# Altium PCB Macropad LITE.PcbDoc
Units mm, origin at the board's own origin, x right, y up, seen from the top; angles counter-clockwise.
Board outline 76.2 x 99 mm, 2 copper layers (Top Layer, Bottom Layer), stack 1.571 mm thick; 66 components, 39 nets, 324 pads, 38 vias.
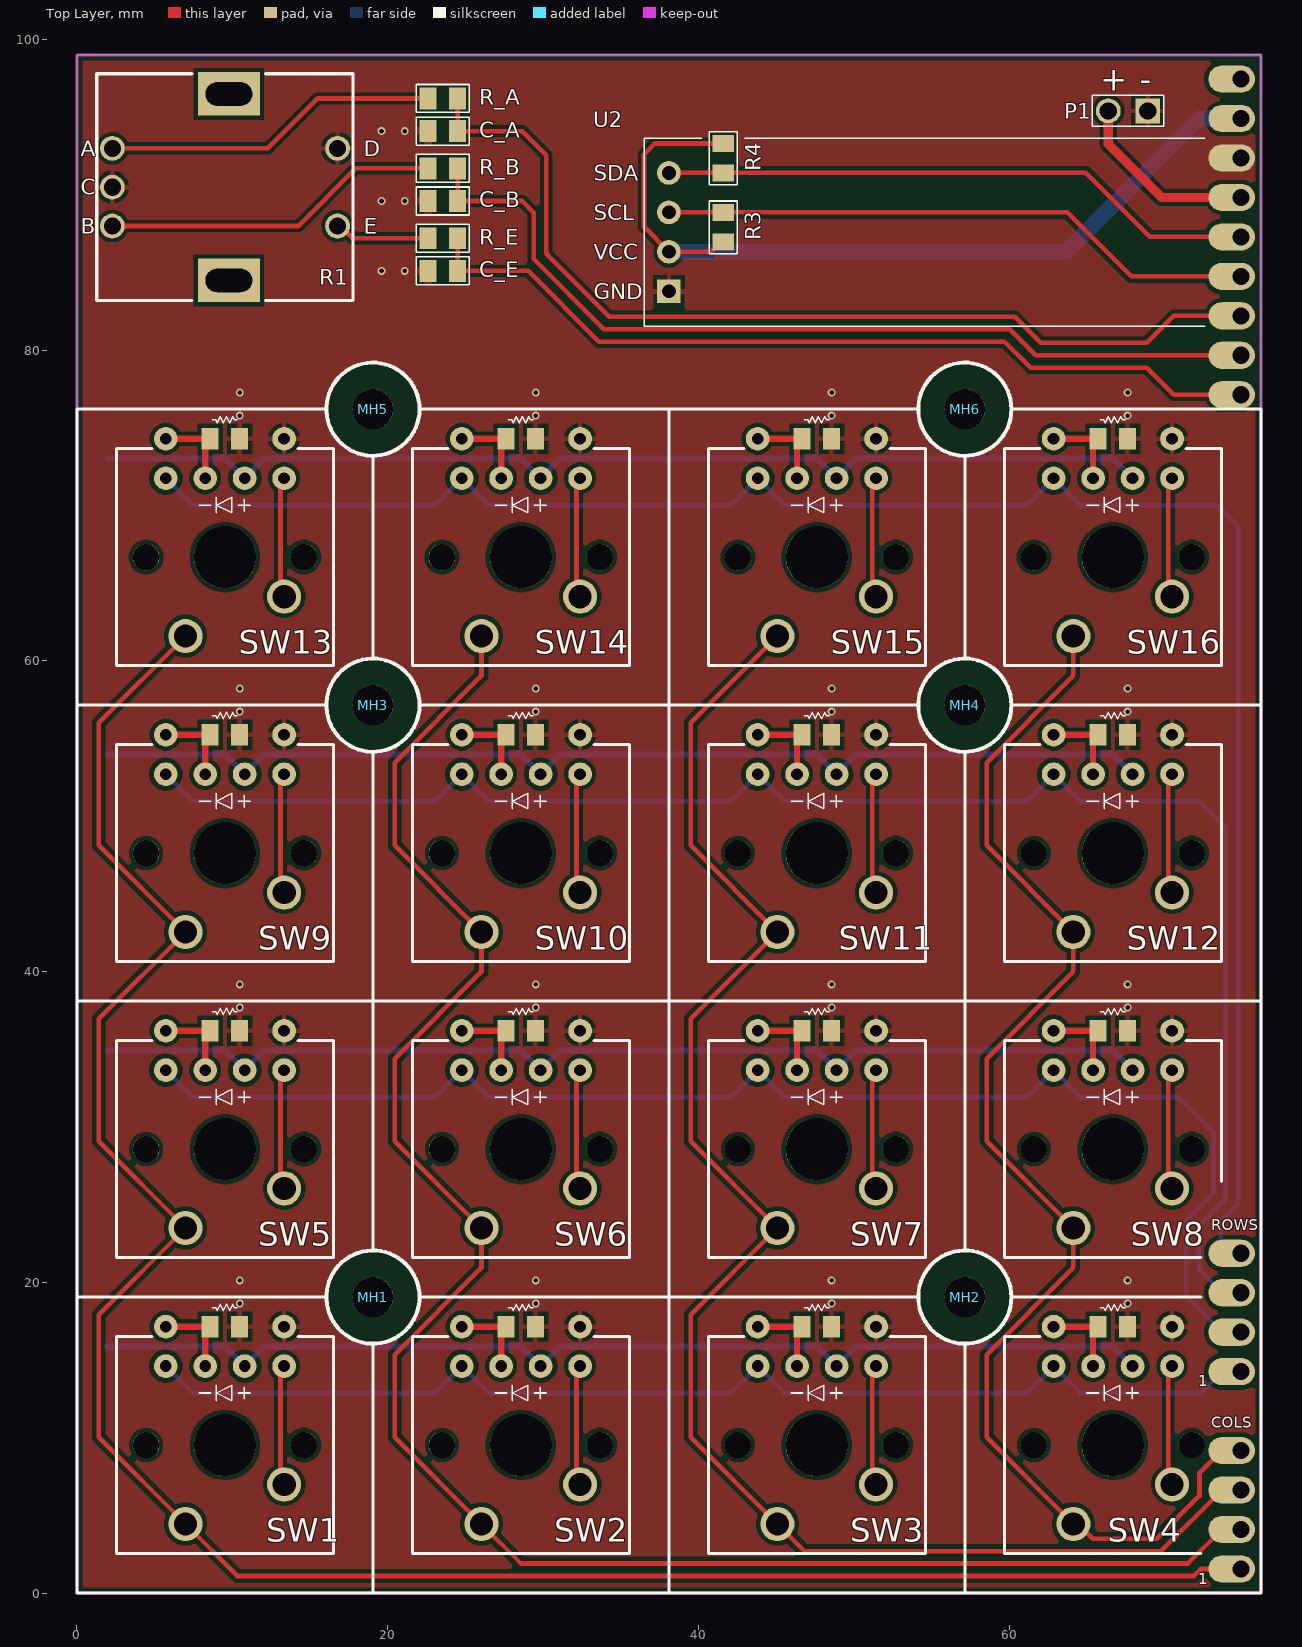
[diagram p0: Top Layer view]
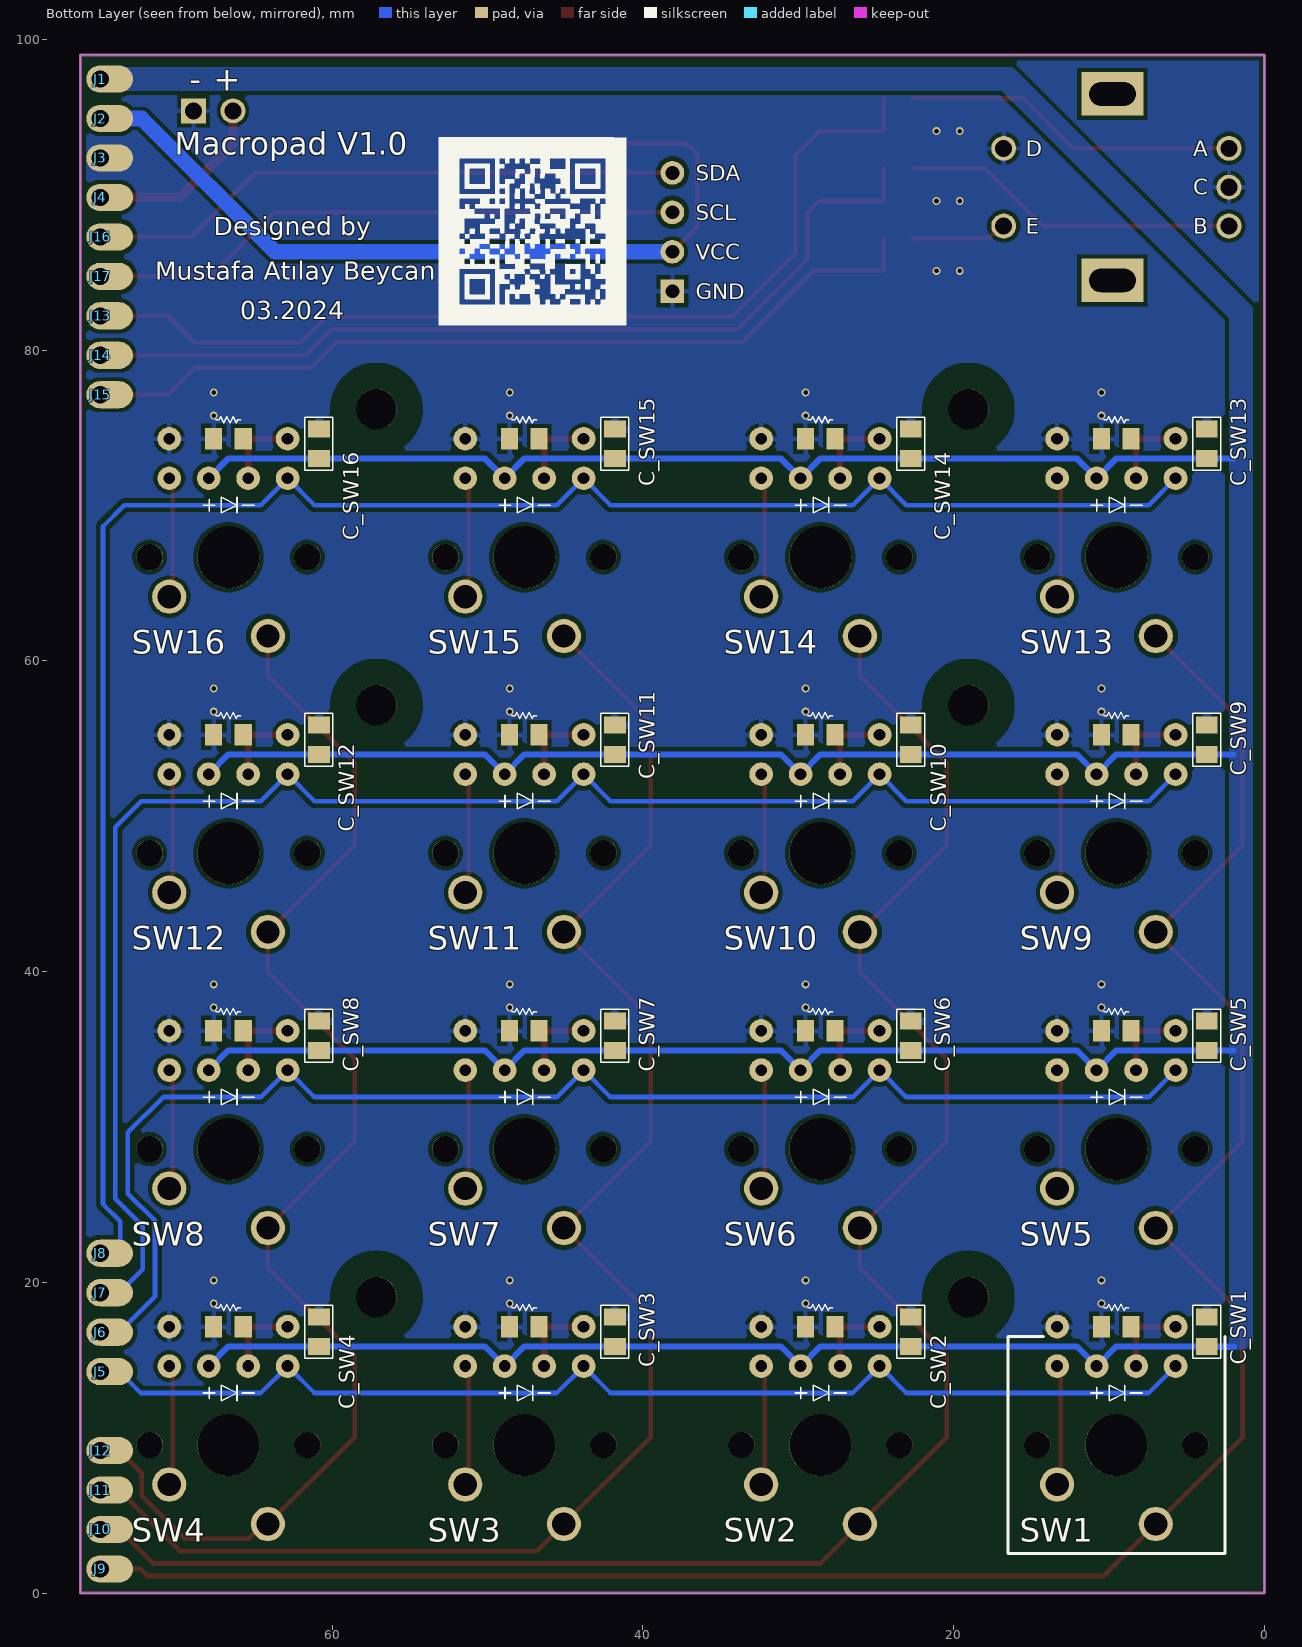
[diagram p1: Bottom Layer view, seen from below]
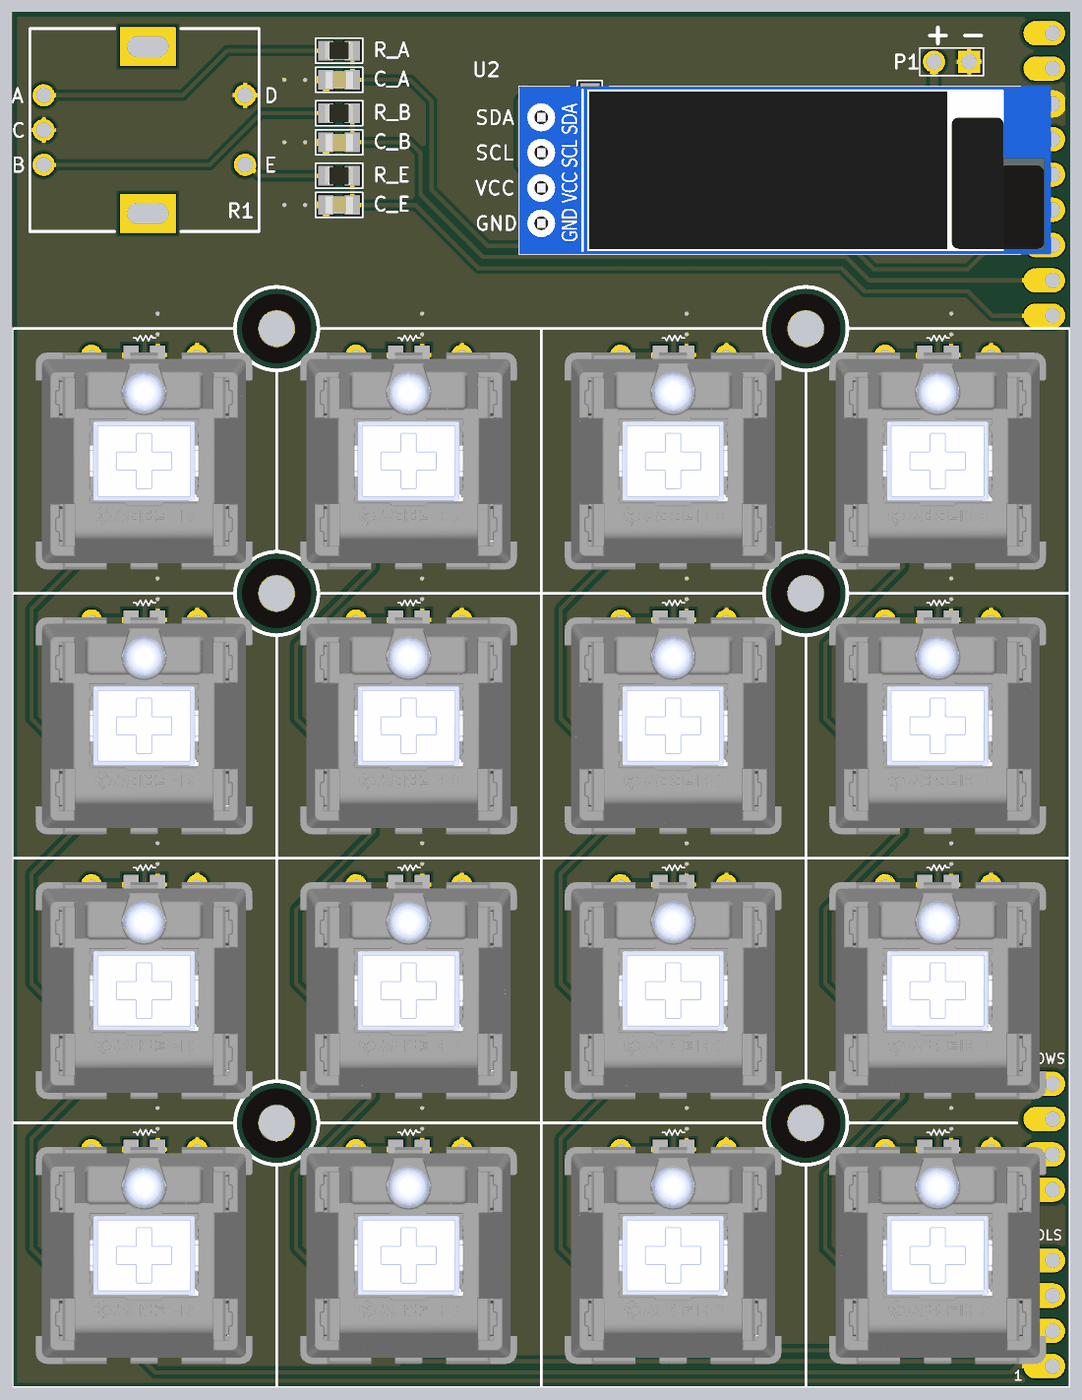
[diagram p2: 3D render of the assembled board from above, using the file's embedded part models]
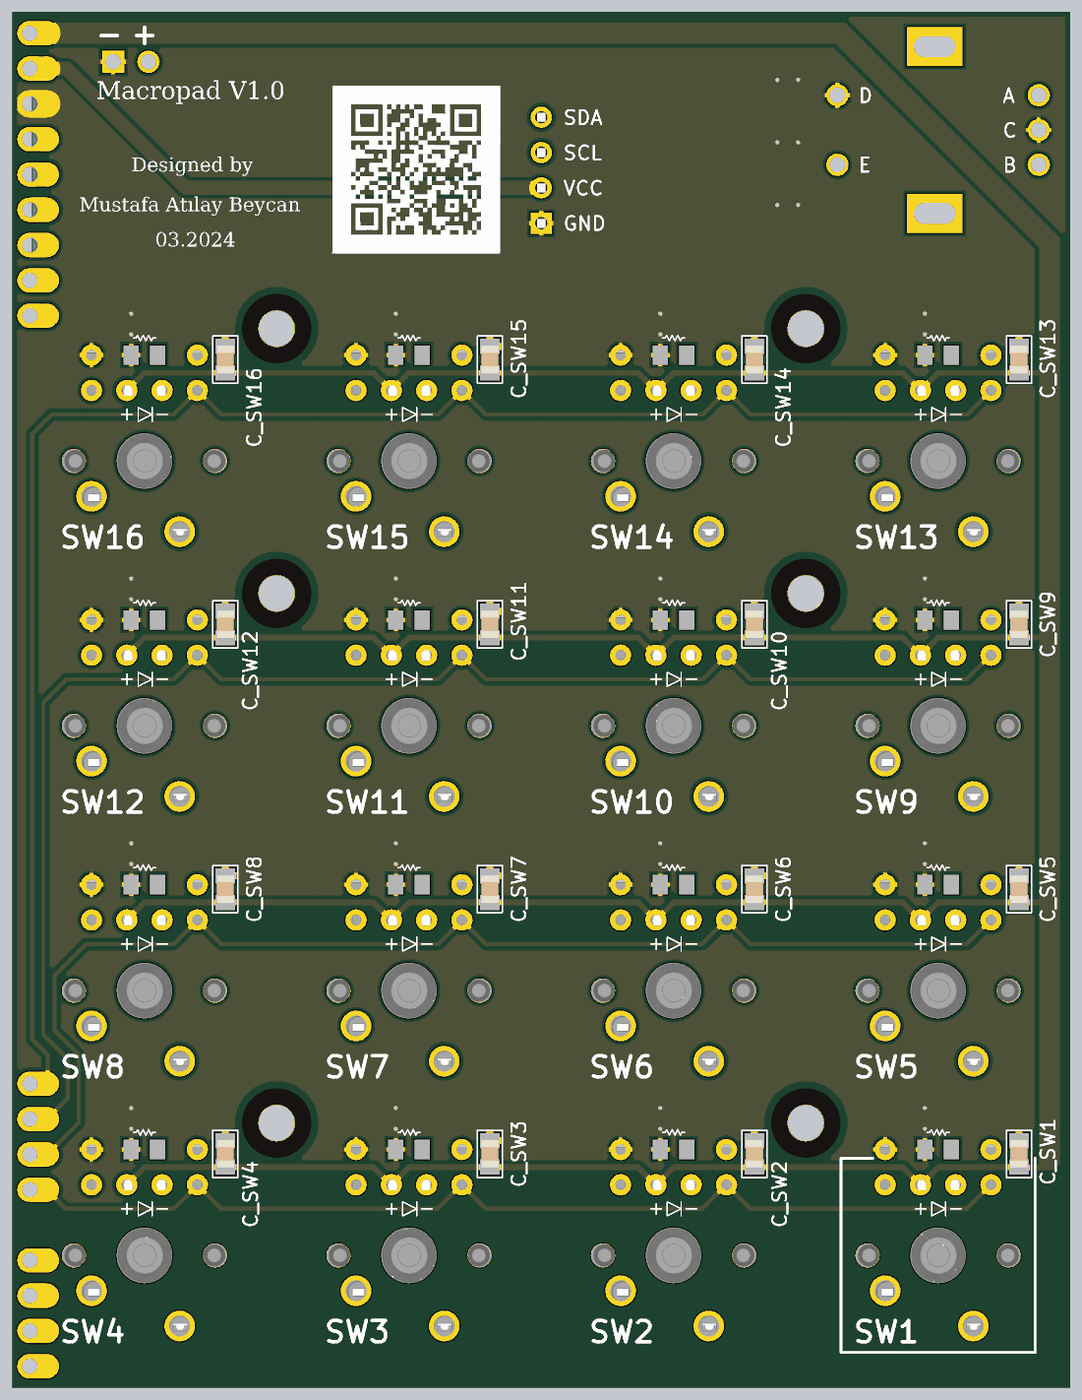
[diagram p3: 3D render of the assembled board from below, using the file's embedded part models]

## Layer stack, top to bottom
Top Solder: solder mask 0.0102, Solder Resist, Dk 3.5
Top Layer: signal copper 0.0356
Dielectric 1: dielectric 1.5, FR-4, Dk 4.8
Bottom Layer: signal copper 0.0356
Bottom Solder: solder mask 0.0102, Solder Resist, Dk 3.5

## Board outline
0,0 0,99 76.2,99 76.2,0

## Design rules (kind name [scope] priority, off if disabled: settings)
Clearance Clearance_VBUS [InNet('VBUS')] p1: gap=0.3 ignorepadtopadclearanceinfootprint=FALSE
Clearance Clearance_Poly_VBUS [InNet('VBUS') or InNet('3V3')] p2: gap=0.254 ignorepadtopadclearanceinfootprint=FALSE except(0.4: Arc-Arc Arc-Track Track-Track)
Clearance Clearance_Rows_Colmns [InNetClass('Columns') or InNetClass('Rows') or InNetClass('I2C')] p3: gap=0.3 ignorepadtopadclearanceinfootprint=FALSE
Clearance [All] p4: gap=0.254 ignorepadtopadclearanceinfootprint=FALSE except(0: Arc-Hole Track-Hole SMDPad-Hole THPad-Hole Via-Hole Fill-Hole Poly-Hole Region-Hole Text-Hole)
PolygonConnect PolygonConnect_SMD [HasFootprint('CAP 0805') vs InNet('GND')] p1: connectstyle=Relief reliefconductorwidth=0.5 reliefentries=4 polygonreliefangle="90 Angle" airgapwidth=0.254
PolygonConnect PolygonConnect_RP [InComponent('U1') or InComponent('J1') or InComponent('J2') or InComponent('J3') or InComponent('J4') or InComponent('J5') or InComponent('J6') or InComponent('J7') or InComponent('J8') or InComponent('J9') or InComponent('J10') or InComponent('J11') or InComponent('J12') or InComponent('J13') or InComponent('J14') or InComponent('J15') or InComponent('J16') or InComponent('J17')] p2: connectstyle=Direct reliefconductorwidth=0.254 reliefentries=4 polygonreliefangle="90 Angle" airgapwidth=0.254
PolygonConnect [All] p3: thpad.connectstyle=Relief thpad.reliefconductorwidth=0.3 thpad.reliefentries=4 thpad.polygonreliefangle="90 Angle" thpad.airgapwidth=0.254 smdpad.connectstyle=Relief smdpad.reliefconductorwidth=0.3 smdpad.reliefentries=4 smdpad.polygonreliefangle="90 Angle" smdpad.airgapwidth=0.254 via.connectstyle=Direct via.reliefconductorwidth=0.3 via.reliefentries=4 via.polygonreliefangle="90 Angle" via.airgapwidth=0.254
RoutingVias [All] p1: holewidth=0.711 width=1.27 viastyle="Through Hole" minholewidth=0.711 minwidth=1.27 maxholewidth=0.711 maxwidth=1.27
SolderMaskExpansion [All] p1: expansion=0.102 istentingtop=FALSE
Width [All] p1: maxlimit=5 minlimit=0.2 preferedwidth=0.3
30 further rules are at their usual default settings.

## Classes and differential pairs
net class Rows: ROW_1 ROW_2 ROW_3 ROW_4
net class I2C: I2C0_SCL I2C0_SDA
net class Columns: COLUMN_1 COLUMN_2 COLUMN_3 COLUMN_4

## Components (designator, comment, footprint, x,y, rotation, side; value= is the part's Value field where it differs from the comment)
C_A "CAP CER" "CAP 0805" 23.55,94.1 r0 top
C_B "CAP CER" "CAP 0805" 23.55,89.6 r180 top
C_E "CAP CER" "CAP 0805" 23.55,85.1 r180 top
C_SW1 "CAP CER" "CAP 0805" 3.7,16.825 r90 bottom
C_SW2 "CAP CER" "CAP 0805" 22.75,16.825 r90 bottom
C_SW3 "CAP CER" "CAP 0805" 41.8,16.825 r90 bottom
C_SW4 "CAP CER" "CAP 0805" 60.85,16.825 r90 bottom
C_SW5 "CAP CER" "CAP 0805" 3.7,35.875 r90 bottom
C_SW6 "CAP CER" "CAP 0805" 22.75,35.875 r90 bottom
C_SW7 "CAP CER" "CAP 0805" 41.8,35.875 r90 bottom
C_SW8 "CAP CER" "CAP 0805" 60.85,35.875 r90 bottom
C_SW9 "CAP CER" "CAP 0805" 3.7,54.925 r90 bottom
C_SW10 "CAP CER" "CAP 0805" 22.75,54.925 r90 bottom
C_SW11 "CAP CER" "CAP 0805" 41.8,54.925 r90 bottom
C_SW12 "CAP CER" "CAP 0805" 60.85,54.925 r90 bottom
C_SW13 "CAP CER" "CAP 0805" 3.7,73.975 r90 bottom
C_SW14 "CAP CER" "CAP 0805" 22.75,73.975 r90 bottom
C_SW15 "CAP CER" "CAP 0805" 41.8,73.975 r90 bottom
C_SW16 "CAP CER" "CAP 0805" 60.85,73.975 r90 bottom
J1 "PAD 1 PIN" "PAD 1 PIN" 74.925,97.45 r90 bottom
J2 "PAD 1 PIN" "PAD 1 PIN" 74.925,94.91 r90 bottom
J3 "PAD 1 PIN" "PAD 1 PIN" 74.925,92.37 r90 bottom
J4 "PAD 1 PIN" "PAD 1 PIN" 74.925,89.83 r90 bottom
J5 "PAD 1 PIN" "PAD 1 PIN" 74.925,14.25 r90 bottom
J6 "PAD 1 PIN" "PAD 1 PIN" 74.925,16.79 r90 bottom
J7 "PAD 1 PIN" "PAD 1 PIN" 74.925,19.33 r90 bottom
J8 "PAD 1 PIN" "PAD 1 PIN" 74.925,21.87 r90 bottom
J9 "PAD 1 PIN" "PAD 1 PIN" 74.925,1.55 r90 bottom
J10 "PAD 1 PIN" "PAD 1 PIN" 74.925,4.09 r90 bottom
J11 "PAD 1 PIN" "PAD 1 PIN" 74.925,6.63 r90 bottom
J12 "PAD 1 PIN" "PAD 1 PIN" 74.925,9.17 r90 bottom
J13 "PAD 1 PIN" "PAD 1 PIN" 74.925,82.21 r90 bottom
J14 "PAD 1 PIN" "PAD 1 PIN" 74.925,79.67 r90 bottom
J15 "PAD 1 PIN" "PAD 1 PIN" 74.925,77.13 r90 bottom
J16 "PAD 1 PIN" "PAD 1 PIN" 74.925,87.29 r90 bottom
J17 "PAD 1 PIN" "PAD 1 PIN" 74.925,84.75 r90 bottom
MH1 "MOUNTING HOLE" "MH 2.7MM" 19.049,19.05 r0 top
MH2 "MOUNTING HOLE" "MH 2.7MM" 57.149,19.05 r0 top
MH3 "MOUNTING HOLE" "MH 2.7MM" 19.049,57.15 r0 top
MH4 "MOUNTING HOLE" "MH 2.7MM" 57.149,57.15 r0 top
MH5 "MOUNTING HOLE" "MH 2.7MM" 19.049,76.2 r0 top
MH6 "MOUNTING HOLE" "MH 2.7MM" 57.149,76.2 r0 top
P1 "2X1 2.54MM HEADER" "HDR 2 PIN 2.54MM" 67.65,95.4 r180 top
R1 "Rotary Encoder" "POT - ROTARY ENCODER" 9.524,90.488 r270 top
R3 "RES CHIP" "RES 0805" 41.6,87.9 r90 top
R4 "RES CHIP" "RES 0805" 41.6,92.35 r270 top
R_A "RES CHIP" "RES 0805" 23.55,96.2 r0 top
R_B "RES CHIP" "RES 0805" 23.55,91.7 r0 top
R_E "RES CHIP" "RES 0805" 23.55,87.2 r180 top
SW1 "Cherry MX Brown" "SW - CHERRY MX 1U" 9.524,9.525 r180 top
SW2 "Cherry MX Brown" "SW - CHERRY MX 1U" 28.574,9.525 r180 top
SW3 "Cherry MX Brown" "SW - CHERRY MX 1U" 47.624,9.525 r180 top
SW4 "Cherry MX Brown" "SW - CHERRY MX 1U" 66.674,9.525 r180 top
SW5 "Cherry MX Brown" "SW - CHERRY MX 1U" 9.524,28.575 r180 top
SW6 "Cherry MX Brown" "SW - CHERRY MX 1U" 28.574,28.575 r180 top
SW7 "Cherry MX Brown" "SW - CHERRY MX 1U" 47.624,28.575 r180 top
SW8 "Cherry MX Brown" "SW - CHERRY MX 1U" 66.674,28.575 r180 top
SW9 "Cherry MX Brown" "SW - CHERRY MX 1U" 9.524,47.625 r180 top
SW10 "Cherry MX Brown" "SW - CHERRY MX 1U" 28.574,47.625 r180 top
SW11 "Cherry MX Brown" "SW - CHERRY MX 1U" 47.624,47.625 r180 top
SW12 "Cherry MX Brown" "SW - CHERRY MX 1U" 66.674,47.625 r180 top
SW13 "Cherry MX Brown" "SW - CHERRY MX 1U" 9.524,66.675 r180 top
SW14 "Cherry MX Brown" "SW - CHERRY MX 1U" 28.574,66.675 r180 top
SW15 "Cherry MX Brown" "SW - CHERRY MX 1U" 47.624,66.675 r180 top
SW16 "Cherry MX Brown" "SW - CHERRY MX 1U" 66.674,66.675 r180 top
U2 "OLED SCREEN" "0.91 OLED" 38.099,87.6 r0 top

## Footprints (in the part's own frame and the unit in brackets; to place one, negate y for a bottom-side part, rotate by r counter-clockwise, add the part's x,y. Pads: shape width x height; smd on the part's side, far side on the other; paste and mask are expansions set on the pad)
"0.91 OLED" [mil]
  rect 60x60 hole 35: 1(0,-150)
  round 60 hole 35: 2(0,-50) 3(0,50) 4(0,150)
  silkscreen extent -63,-239 1358,238, body extent -63,-239 1445,238, height 296
"CAP 0805" [mm]
  rect 1.1x1.4 smd: 1(-0.95,0) 2(0.95,0)
  Top Layer pour cut-out: -0.2,0.9 0.2,0.9 0.2,-0.9 -0.2,-0.9
  silkscreen extent -1.7,-0.9 1.7,0.9, body extent -1,-0.62 1,0.63, height 0.6
"HDR 2 PIN 2.54MM" [mm]
  rect 1.6x1.6 hole 1.1: 1(-1.27,0)
  round 1.6 hole 1.1: 2(1.27,0)
  silkscreen extent -2.3,-1 2.3,1
"MH 2.7MM" [mm]
  round 2.6 hole 2.6 mask+1.2: ""(0,0)
"PAD 1 PIN" [mm]
  oval 1.75x3 hole 1.1 copper offset 0,-0.6: 1(0,0)
"POT - ROTARY ENCODER" [mm]
  round 1.6 hole 1.1: A(-2.5,-7.25) B(2.5,-7.25) C(0,-7.25) D(-2.5,7.25) E(2.5,7.25)
  rect 2.8x4 hole 1.5 slot 3 at 90 deg: ""(-6,0.25) ""(6,0.25)
  silkscreen extent -7.3,-8.25 7.3,8.25, body extent -6.75,-7.32 6.75,7.33, height 21.8
"RES 0805" [mm]
  rect 1.1x1.4 smd: 1(-0.95,0) 2(0.95,0)
  Top Layer pour cut-out: -0.2,0.9 0.2,0.9 0.2,-0.9 -0.2,-0.9
  silkscreen extent -1.7,-0.9 1.7,0.9, body extent -1,-0.63 1,0.63, height 0.45
"SW - CHERRY MX 1U" [mil]
  round 86.61 hole 59.06: 1(100,200)
  round 86.61 hole 59: 2(-150,100)
  round 60 hole 30: 3(-150,-200) 4(150,-200) A(-50,-200) K(-150,-300) ""(50,-200) ""(150,-300)
  rect 43.31x55.12 smd: K(-37.4,-300) ""(37.4,-300)
  rect 43.31x55.12 smd far side: K(-37.4,-300) ""(37.4,-300)
  round 67 hole 67: ""(-200,0) ""(200,0)
  round 157 hole 157 unplated: ""(0,0)
  silkscreen extent -375,-375 375,375, body extent -306,-307 308,307, height 610

## Part data
C_A C_B C_E C_SW1 C_SW2 C_SW3 C_SW4 C_SW5 C_SW6 C_SW7 C_SW8 C_SW9 C_SW10 C_SW11 C_SW12 C_SW13 C_SW14 C_SW15 C_SW16: Capacitance=100nF, Package=0805, Mount=SMD
MH1 MH2 MH3 MH4 MH5 MH6: library part MH
P1: library part "HDR - 2X1 2.54"
R1: library part "POT - Rotary Encoder", Link=https://ozdisan.com/elektromekanik-komponentler/enkoder-urunleri/enkoderler/L-KLS4-EC1204-2C8A-15T/517994
R3 R4: Package=0805, Resistance=4.7K, Mount=SMD
R_A R_B R_E: Package=0805, Resistance=27K, Mount=SMD
SW1 SW2 SW3 SW4 SW5 SW6 SW7 SW8 SW9 SW10 SW11 SW12 SW13 SW14 SW15 SW16: "MECHANICAL SWITCH CHERRY MX BROWN"
U2: library part "0.91 OLED", "0.91 OLED SCREEN I2C"

## Via types
v1: diameter 0.5, hole 0.3, Top Layer to Bottom Layer, tented both sides, 38 vias

## Nets (pads, with @x,y where several pads share a name; then routed paths per layer and width w, separated by ;. In a path a pad name is that pad's centre, name@x,y a point inside that pad or via, vN(x,y) a via of type N, cw(c..) or ccw(c..) an arc to the next point about the centre after c; other vN are vias at no path point)
3V3: J2.1 R3.1 R4.1 U2.2 | length 55.2
  Top Layer w0.3: R3.1 41.45,86.95 40.83,86.33 U2.2 36.5,87.929 36.5,92.6 37.2,93.3 R4.1
  Bottom Layer w1: U2.2 63.68,86.33 72.26,94.91 J2.1@73.7,94.91
3V3_ENABLE: J4.1 P1.2 | length 10.9
  Top Layer w0.6: P1.2 66.38,93.27 69.82,89.83 J4.1@73.7,89.83
COLUMN_1: J9.1 SW1.1 SW5.1 SW9.1 SW13.1 | length 139.3
  Top Layer w0.3: SW13.1 1.4,56.011 1.4,48.13 SW9.1 1.4,36.961 1.4,29.079 SW5.1 1.4,17.911 1.4,10.029 SW1.1 10.329,1.1 71.9,1.1 72.35,1.55 J9.1@73.7,1.55
COLUMN_2: J10.1 SW2.1 SW6.1 SW10.1 SW14.1 | length 120.7
  Top Layer w0.3: SW14.1 26.034,59.034 20.45,53.45 20.45,48.129 SW10.1 26.034,39.984 20.45,34.4 20.45,29.079 SW6.1 26.034,20.934 20.45,15.35 20.45,10.029 SW2.1 28.579,1.9 71.51,1.9 J10.1@73.7,4.09
COLUMN_3: J11.1 SW3.1 SW7.1 SW11.1 SW15.1 | length 102
  Top Layer w0.3: SW15.1 39.5,56.011 39.5,48.13 SW11.1 39.5,36.961 39.5,29.079 SW7.1 39.5,17.911 39.5,10.029 SW3.1 46.829,2.7 69.77,2.7 J11.1@73.7,6.63
COLUMN_4: J12.1 SW4.1 SW8.1 SW12.1 SW16.1 | length 84.2
  Top Layer w0.3: SW16.1 64.134,59.034 58.55,53.45 58.55,48.129 SW12.1 64.134,39.984 58.55,34.4 58.55,29.079 SW8.1 64.134,20.934 58.55,15.35 58.55,10.029 SW4.1 64.436,4.445 65.381,3.5 69.5,3.5 72.25,6.25 72.25,7.72 J12.1@73.7,9.17
GND: C_A.1 C_B.2 C_E.2 C_SW1.2 C_SW2.2 C_SW3.2 C_SW4.2 C_SW5.2 C_SW6.2 C_SW7.2 C_SW8.2 C_SW9.2 C_SW10.2 C_SW11.2 C_SW12.2 C_SW13.2 C_SW14.2 C_SW15.2 C_SW16.2 J3.1 P1.1 R1.C R1.D SW1.K SW2.K SW3.K SW4.K SW5.K SW6.K SW7.K SW8.K SW9.K SW10.K SW11.K SW12.K SW13.K SW14.K SW15.K SW16.K U2.1
  other v1: 10.474,18.635 29.524,18.635 48.574,18.635 67.624,18.635 10.474,20.125 29.524,20.125 48.574,20.125 67.624,20.125 10.474,37.685 29.524,37.685 48.574,37.685 67.624,37.685 10.474,39.175 29.524,39.175 48.574,39.175 67.624,39.175 10.474,56.735 29.524,56.735 48.574,56.735 67.624,56.735 10.474,58.225 29.524,58.225 48.574,58.225 67.624,58.225 10.474,75.785 29.524,75.785 48.574,75.785 67.624,75.785 10.474,77.275 29.524,77.275 48.574,77.275 67.624,77.275 19.6,85.1 21.1,85.1 19.6,89.6 21.1,89.6 19.6,94.1 21.1,94.1
I2C0_SCL: J17.1 R3.2 U2.3 | length 37.3
  Top Layer w0.3: U2.3 63.73,88.87 67.85,84.75 J17.1@73.7,84.75
I2C0_SDA: J16.1 R4.2 U2.4 | length 37.3
  Top Layer w0.3: U2.4 64.94,91.41 69.06,87.29 J16.1@73.7,87.29
NetR1_A: R1.A R_A.1 | length 21.7
  Top Layer w0.3: R1.A 12.288,92.988 15.5,96.2 R_A.1
NetR1_B: R1.B R_B.1 | length 21.9
  Top Layer w0.3: R1.B 14.238,87.988 17.95,91.7 R_B.1
NetR1_E: R1.E R_E.2 | length 6.2
  Top Layer w0.3: R1.E 16.967,87.988 17.755,87.2 R_E.2
NetSW1_2: SW1.2 SW1.3 | length 7.8
  Top Layer w0.3: SW1.2 13.1,7.219 13.1,14.039 13.334,14.274 SW1.3
NetSW2_2: SW2.2 SW2.3 | length 7.8
  Top Layer w0.3: SW2.2 32.15,7.219 32.15,14.039 32.384,14.274 SW2.3
NetSW3_2: SW3.2 SW3.3 | length 7.8
  Top Layer w0.3: SW3.2 51.2,7.219 51.2,14.039 51.434,14.274 SW3.3
NetSW4_2: SW4.2 SW4.3 | length 7.8
  Top Layer w0.3: SW4.2 70.25,7.219 70.25,14.039 70.484,14.274 SW4.3
NetSW5_2: SW5.2 SW5.3 | length 7.8
  Top Layer w0.3: SW5.2 13.1,26.269 13.1,33.089 13.334,33.324 SW5.3
NetSW6_2: SW6.2 SW6.3 | length 7.8
  Top Layer w0.3: SW6.2 32.15,26.269 32.15,33.089 32.384,33.324 SW6.3
NetSW7_2: SW7.2 SW7.3 | length 7.8
  Top Layer w0.3: SW7.2 51.2,26.269 51.2,33.089 51.434,33.324 SW7.3
NetSW8_2: SW8.2 SW8.3 | length 7.8
  Top Layer w0.3: SW8.2 70.25,26.269 70.25,33.089 70.484,33.324 SW8.3
NetSW9_2: SW9.2 SW9.3 | length 7.8
  Top Layer w0.3: SW9.2 13.1,45.32 13.1,52.139 13.334,52.374 SW9.3
NetSW10_2: SW10.2 SW10.3 | length 7.8
  Top Layer w0.3: SW10.2 32.15,45.32 32.15,52.139 32.384,52.374 SW10.3
NetSW11_2: SW11.2 SW11.3 | length 7.8
  Top Layer w0.3: SW11.2 51.2,45.32 51.2,52.139 51.434,52.374 SW11.3
NetSW12_2: SW12.2 SW12.3 | length 7.8
  Top Layer w0.3: SW12.2 70.25,45.32 70.25,52.139 70.484,52.374 SW12.3
NetSW13_2: SW13.2 SW13.3 | length 7.8
  Top Layer w0.3: SW13.2 13.1,64.37 13.1,71.189 13.334,71.424 SW13.3
NetSW14_2: SW14.2 SW14.3 | length 7.8
  Top Layer w0.3: SW14.2 32.15,64.37 32.15,71.189 32.384,71.424 SW14.3
NetSW15_2: SW15.2 SW15.3 | length 7.8
  Top Layer w0.3: SW15.2 51.2,64.37 51.2,71.189 51.434,71.424 SW15.3
NetSW16_2: SW16.2 SW16.3 | length 7.8
  Top Layer w0.3: SW16.2 70.25,64.37 70.25,71.189 70.484,71.424 SW16.3
POT_SLIDER: 
ROT_A: C_A.2 J13.1 R_A.2 | length 61.4
  Top Layer w0.3: R_A.2 C_A.2 28.65,94.1 30.2,92.55 30.2,86.2 34.25,82.15 60.363,82.15 62.043,80.47 68.85,80.47 70.59,82.21 J13.1@73.7,82.21
ROT_B: C_B.1 J14.1 R_B.2 | length 57.2
  Top Layer w0.3: R_B.2 C_B.1 28.65,89.6 29.4,88.85 29.4,85.869 33.919,81.35 59,81.35 60.031,81.35 61.711,79.67 J14.1@73.7,79.67
ROT_E: C_E.1 J15.1 R_E.1 | length 54.6
  Top Layer w0.3: R_E.1 C_E.1 29.037,85.1 33.587,80.55 59,80.55 59.7,80.55 61.38,78.87 68.85,78.87 70.59,77.13 J15.1@73.7,77.13
ROW_1: J5.1 SW1.4 SW2.4 SW3.4 SW4.4 | length 73.6
  Bottom Layer w0.3: SW1.4 7.444,12.875 23.034,12.875 SW2.4 26.494,12.875 42.084,12.875 SW3.4 45.544,12.875 61.134,12.875 SW4.4 64.594,12.875 72.325,12.875 J5.1@73.7,14.25
ROW_2: J6.1 SW5.4 SW6.4 SW7.4 SW8.4 | length 87.9
  Bottom Layer w0.3: SW5.4 7.444,31.925 23.034,31.925 SW6.4 26.494,31.925 42.084,31.925 SW7.4 45.544,31.925 61.134,31.925 SW8.4 64.594,31.925 70.875,31.925 73.15,29.65 73.15,25.7 71.4,23.95 71.4,19.09 J6.1@73.7,16.79
ROW_3: J7.1 SW9.4 SW10.4 SW11.4 SW12.4 | length 105.3
  Bottom Layer w0.3: SW9.4 7.444,50.975 23.034,50.975 SW10.4 26.494,50.975 42.084,50.975 SW11.4 45.544,50.975 61.134,50.975 SW12.4 64.594,50.975 72.275,50.975 73.95,49.3 73.95,25.369 72.2,23.619 72.2,20.83 J7.1@73.7,19.33
ROW_4: J8.1 SW13.4 SW14.4 SW15.4 SW16.4 | length 121.9
  Bottom Layer w0.3: SW13.4 7.444,70.025 23.034,70.025 SW14.4 26.494,70.025 42.084,70.025 SW15.4 45.544,70.025 61.134,70.025 SW16.4 64.594,70.025 73.375,70.025 74.75,68.65 74.75,27.3 74.75,25.037 73.631,23.919 73.631,21.939 J8.1@73.7,21.87
SWCLK: 
SWDIO: 
VBUS: C_SW1.1 C_SW2.1 C_SW3.1 C_SW4.1 C_SW5.1 C_SW6.1 C_SW7.1 C_SW8.1 C_SW9.1 C_SW10.1 C_SW11.1 C_SW12.1 C_SW13.1 C_SW14.1 C_SW15.1 C_SW16.1 J1.1 SW1.A SW2.A SW3.A SW4.A SW5.A SW6.A SW7.A SW8.A SW9.A SW10.A SW11.A SW12.A SW13.A SW14.A SW15.A SW16.A | length 278.6
  Bottom Layer w0.4: 1.95,15.85 3.675,15.85 C_SW1.1 9.524,15.875 SW1.A 12.064,15.875 28.574,15.875 SW2.A 31.114,15.875 47.624,15.875 SW3.A 50.164,15.875 66.674,15.875 SW4.A ; 2,34.925 9.524,34.925 SW5.A 12.064,34.925 28.574,34.925 SW6.A 31.114,34.925 47.624,34.925 SW7.A 50.164,34.925 66.674,34.925 SW8.A ; 2,53.975 9.524,53.975 SW9.A 12.064,53.975 28.574,53.975 SW10.A 31.114,53.975 47.624,53.975 SW11.A 50.164,53.975 66.674,53.975 SW12.A ; 2,73.025 9.524,73.025 SW13.A 12.064,73.025 28.574,73.025 SW14.A 31.114,73.025 47.624,73.025 SW15.A 50.164,73.025 66.674,73.025 SW16.A
pads on no net: MH1. MH2. MH3. MH4. MH5. MH6. R1. SW1. SW2. SW3. SW4. SW5. SW6. SW7. SW8. SW9. SW10. SW11. SW12. SW13. SW14. SW15. SW16.
copper on no net: | length 83.5
  Top Layer w0.4: 5.714,17.145 8.574,17.145 8.254,16.825 8.254,14.605 ; 5.714,36.195 8.574,36.195 ; 5.714,55.245 8.574,55.245 ; 5.714,74.295 8.574,74.295 8.254,73.975 8.254,71.755 ; 8.254,33.655 8.254,35.875 ; 8.254,52.705 8.254,54.925 ; 24.764,17.145 27.624,17.145 27.304,16.825 27.304,14.605 ; 24.764,36.195 27.624,36.195 ; 24.764,55.245 27.624,55.245 ; 24.764,74.295 27.624,74.295 ; 27.304,33.655 27.304,35.875 ; 27.304,52.705 27.304,54.925 ; 27.304,71.755 27.304,73.975 ; 43.814,17.145 46.674,17.145 46.354,16.825 46.354,14.605 ; 43.814,36.195 46.674,36.195 ; 43.814,55.245 46.674,55.245 ; 43.814,74.295 46.674,74.295 ; 46.354,33.655 46.354,35.875 ; 46.354,52.705 46.354,54.925 ; 46.354,71.755 46.354,73.975 ; 62.864,17.145 65.724,17.145 65.404,16.825 65.404,14.605 ; 62.864,36.195 65.724,36.195 ; 62.864,55.245 65.724,55.245 ; 62.864,74.295 65.724,74.295 ; 65.404,33.655 65.404,35.875 ; 65.404,52.705 65.404,54.925 ; 65.404,71.755 65.404,73.975

## Polygon pours and split planes (outlines as drawn)
GND on Bottom Layer "GND_L02_P011" (solid, remove dead copper, pour order 11): 0,0 76.2,0 76.2,99 0,99
VBUS on Bottom Layer "Bottom Layer-VBUS" (solid, remove dead copper, pour order 7): 73.7,98.2 16.2,98.2 0.75,82.75 0.75,16.15 1.25,15.65 2.25,15.65 2.25,82.05 16.9,96.7 73.7,96.7
GND on Top Layer "GND_L01_P010" (solid, remove dead copper, pour order 10): 0,0 0,99 76.2,99 76.2,0

## Keep-outs
Keep-Out Layer:
  the board outline again, w0.2

## Other copper
Top Layer:
  pour cut-out: 60.149,76.2 ccw(c57.149,76.2) 57.149,79.2 ccw(c57.149,76.2) 54.149,76.2 ccw(c57.149,76.2) 57.149,73.2 ccw(c57.149,76.2)
  pour cut-out: 22.049,76.2 ccw(c19.049,76.2) 19.049,79.2 ccw(c19.049,76.2) 16.049,76.2 ccw(c19.049,76.2) 19.049,73.2 ccw(c19.049,76.2)
  pour cut-out: 22.049,57.15 ccw(c19.049,57.15) 19.049,60.15 ccw(c19.049,57.15) 16.049,57.15 ccw(c19.049,57.15) 19.049,54.15 ccw(c19.049,57.15)
  pour cut-out: 60.149,57.15 ccw(c57.149,57.15) 57.149,60.15 ccw(c57.149,57.15) 54.149,57.15 ccw(c57.149,57.15) 57.149,54.15 ccw(c57.149,57.15)
  pour cut-out: 60.149,19.05 ccw(c57.149,19.05) 57.149,22.05 ccw(c57.149,19.05) 54.149,19.05 ccw(c57.149,19.05) 57.149,16.05 ccw(c57.149,19.05)
  pour cut-out: 22.049,19.05 ccw(c19.049,19.05) 19.049,22.05 ccw(c19.049,19.05) 16.049,19.05 ccw(c19.049,19.05) 19.049,16.05 ccw(c19.049,19.05)
Bottom Layer:
  pour cut-out: 60.149,76.2 ccw(c57.149,76.2) 57.149,79.2 ccw(c57.149,76.2) 54.149,76.2 ccw(c57.149,76.2) 57.149,73.2 ccw(c57.149,76.2)
  pour cut-out: 22.049,76.2 ccw(c19.049,76.2) 19.049,79.2 ccw(c19.049,76.2) 16.049,76.2 ccw(c19.049,76.2) 19.049,73.2 ccw(c19.049,76.2)
  pour cut-out: 22.049,57.15 ccw(c19.049,57.15) 19.049,60.15 ccw(c19.049,57.15) 16.049,57.15 ccw(c19.049,57.15) 19.049,54.15 ccw(c19.049,57.15)
  pour cut-out: 60.149,57.15 ccw(c57.149,57.15) 57.149,60.15 ccw(c57.149,57.15) 54.149,57.15 ccw(c57.149,57.15) 57.149,54.15 ccw(c57.149,57.15)
  pour cut-out: 60.149,19.05 ccw(c57.149,19.05) 57.149,22.05 ccw(c57.149,19.05) 54.149,19.05 ccw(c57.149,19.05) 57.149,16.05 ccw(c57.149,19.05)
  pour cut-out: 22.049,19.05 ccw(c19.049,19.05) 19.049,22.05 ccw(c19.049,19.05) 16.049,19.05 ccw(c19.049,19.05) 19.049,16.05 ccw(c19.049,19.05)
  pour cut-out: 2.746,14.925 0,14.925 0,15.25 2.746,15.25

## Silkscreen, mask and mechanical layers (free items; w line width, h text height)
Top Overlay:
  circle w0.254: c19.05,19.05 r2.999
  circle w0.254: c57.149,76.2 r2.999
  circle w0.254: c19.05,76.2 r2.999
  circle w0.254: c57.149,57.15 r2.999
  circle w0.254: c19.05,57.15 r2.999
  circle w0.254: c57.149,19.05 r2.999
  lines w0.1: 36.499,93.64 40.2,93.64 ; 43,93.64 72.587,93.64
  lines w0.2: 0,19.05 16.05,19.05 ; 0,57.15 16.05,57.15 ; 0,76.2 16.05,76.2 ; 1.274,83.188 7.4,83.188 ; 1.274,97.788 7.4,97.788 ; 12.15,83.188 17.774,83.188 ; 12.15,97.788 17.774,97.788 ; 19.049,0 19.049,16.05 ; 19.049,22.05 19.049,38.1 19.049,54.15 ; 19.049,60.15 19.049,73.201 ; 22.049,19.05 38.099,19.05 54.149,19.05 ; 22.049,57.15 38.099,57.15 54.149,57.15 ; 22.049,76.2 38.099,76.2 54.149,76.2 ; 57.149,0 57.149,16.05 ; 57.149,22.05 57.149,38.1 57.149,54.15 ; 57.149,60.149 57.149,73.201 ; 59.689,2.54 72.35,2.54 ; 59.689,21.59 72.35,21.59 ; 60.149,19.05 72.35,19.05 ; 60.149,57.15 76.199,57.15 ; 60.149,76.2 76.199,76.2 ; 73.659,26.5 73.659,35.56
  text "+" at 65.872,96.688 h1.52
  text "-" at 68.412,96.688 h1.52
  text "ROWS" at 73.017,23.35 h0.7
  text "1" at 72.183,13.3 h0.7
  text "COLS" at 73.017,10.65 h0.7
  text "1" at 72.183,0.55 h0.7
Bottom Overlay:
  drawing of 18 lines, arcs and shapes, not listed
  text "+" at 65.872,96.688 h1.52
  text "-" at 68.412,96.688 h1.52
  text "A" at 4.566,92.488 h1
  text "D" at 15.35,92.488 h1
  text "Macropad V1.0" at 70.128,92.096 h2.5
  text "SDA" at 36.6,90.91 h1
  text "C" at 4.566,89.988 h1
  text "SCL" at 36.6,88.37 h1
  text "B" at 4.566,87.488 h1
  text "E" at 15.35,87.488 h1
  text "Designed by" at 67.613,87.004 h2
  text "VCC" at 36.6,85.83 h1
  text "Mustafa Atılay Beycan" at 71.382,84.135 h2
  text "GND" at 36.6,83.29 h1
  text "03.2024" at 65.906,81.615 h2
  text "SW13" at 15.746,60.454 h1.52
  text "SW14" at 34.796,60.454 h1.52
  text "SW15" at 53.846,60.454 h1.52
  text "SW16" at 72.896,60.454 h1.52
  text "SW9" at 15.746,41.404 h1.52
  text "SW10" at 34.796,41.404 h1.52
  text "SW11" at 53.846,41.404 h1.52
  text "SW12" at 72.896,41.404 h1.52
  text "SW5" at 15.746,22.354 h1.52
  text "SW6" at 34.796,22.354 h1.52
  text "SW7" at 53.846,22.354 h1.52
  text "SW8" at 72.896,22.354 h1.52
  text "SW1" at 15.746,3.304 h1.52
  text "SW2" at 34.796,3.304 h1.52
  text "SW3" at 53.846,3.304 h1.52
  text "SW4" at 72.896,3.304 h1.52

## Text inside footprints (layer, text, board x,y; h text height)
R1: Top Overlay "A" at 0.258,92.488 h1; Top Overlay "C" at 0.258,89.988 h1; Top Overlay "B" at 0.258,87.488 h1; Top Overlay "D" at 18.458,92.488 h1; Top Overlay "E" at 18.458,87.488 h1
U2: Top Overlay "GND" at 33.249,83.29 h1; Top Overlay "VCC" at 33.249,85.83 h1; Top Overlay "SCL" at 33.249,88.37 h1; Top Overlay "SDA" at 33.249,90.91 h1